# Altium PCB NGIStepUpPCB.PcbDoc (part 2 of 2)
Units mm, origin at the board's own origin, x right, y up, seen from the top; angles counter-clockwise.
Board outline 160 x 100 mm, 2 copper layers (Top Layer, Bottom Layer); 155 components, 76 nets, 427 pads, 362 vias.
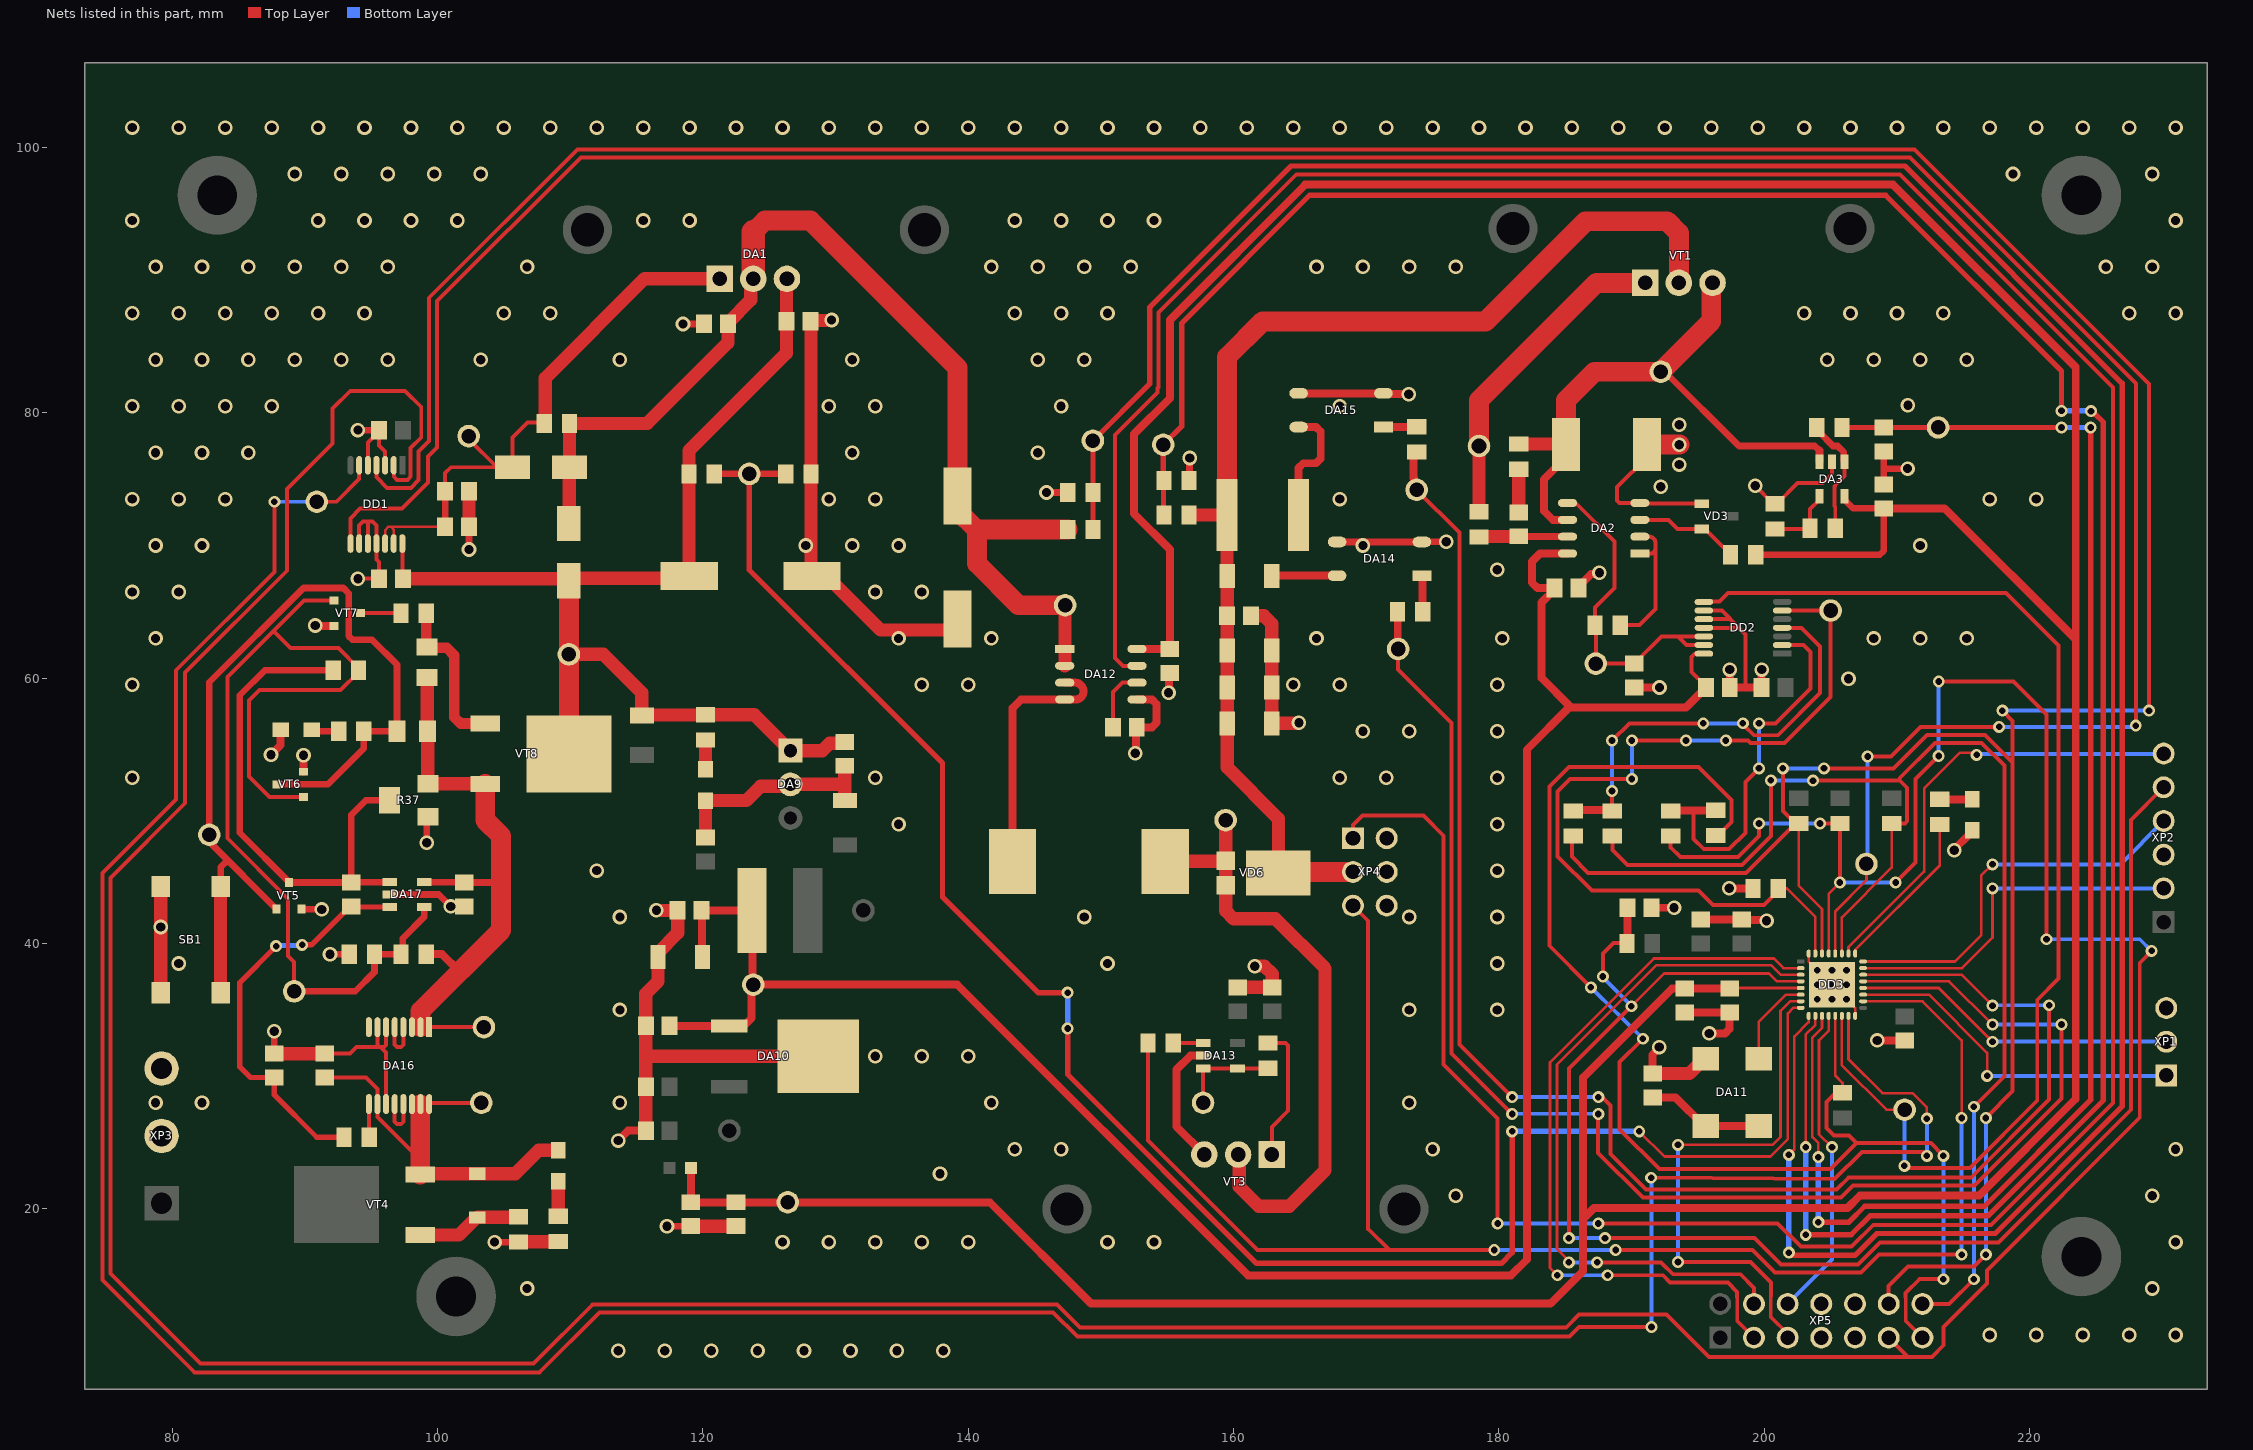
[diagram p2: the nets of this part, all layers, seen from the top]

## Via types
v1: diameter 1.1, hole 0.7, Top Layer to Bottom Layer, tented both sides, 266 vias
v2: diameter 0.9, hole 0.5, Top Layer to Bottom Layer, tented both sides, 87 vias
v3: diameter 0.9, hole 0.5, Top Layer to Bottom Layer, 9 vias

## Nets (pads, with @x,y where several pads share a name; then routed paths per layer and width w, separated by ;. In a path a pad name is that pad's centre, name@x,y a point inside that pad or via, vN(x,y) a via of type N, cw(c..) or ccw(c..) an arc to the next point about the centre after c; other vN are vias at no path point) (continued)
+24V_Protect: C1.1 C2.1 C8.2 C26.2 DA1.3 DA9.1 DD1.14 R1.1 R33.1 R44.2 TP3.1 VD1.C VT8.2 | length 88
  Top Layer w0.3: C8.2@97.35,67.55 DD1.14@97.35,70.15
  Top Layer w1: C8.2@97.4,67.5 VD1.C@109.775,67.5 ; TP3.1@109.9,61.8 112.5,61.8 115.4,58.9 R33.1@115.4,57.2 115.425,57.225 120.175,57.225 R44.2@120.2,57.25 123.89,57.25 DA9.1@126.6,54.54 129,54.54 129.56,55.1 130.6,55.1 C26.2@130.7,55.2 ; VD1.C@109.9,67.35 110.075,67.525 118.8,67.525 C1.1@118.975,67.7 118.95,67.725 R1.1@118.95,75.4 118.95,77.15 126.3,84.5 C2.1@126.3,86.9 DA1.3@126.3,90.06
  Top Layer w1.5: VD1.C@109.775,67.5 109.9,67.375 VD1.C@109.9,67.35 TP3.1@109.9,61.8 VT8.2@109.9,54.3
+A3.3V: C14.2 C34.2 C35.2 C39.2 C40.2 C43.1 DA3.5 DA12.8 DD3.5 FB1.2 R6.2 TP9.1 | length 346.5
  Top Layer w0.2: C40.2@197.4,36.65 DD3.5@202.75,36.65
  Top Layer w0.5: R6.2@199.35,69.3 208.707,69.3 209,69.593 C14.2@209,72.8 206.7,72.8 206.05,73.45 DA3.5@206.05,73.7
  Top Layer w0.6: FB1.2@119.1,23.1 C35.2@119.1,20.5 C34.2@122.5,20.5 TP9.1@126.4,20.5 141.625,20.5 149.25,12.875 183.9,12.875 186.35,15.325 186.35,19.25 ; DA12.8@152.725,62.205 C43.1@155.195,62.205 ; C43.1@155.2,62.2 155.2,69.701 152.5,72.401 152.5,78.4 155.2,81.1 155.2,87 165.4,97.2 209.7,97.2 223.45,83.45 ; C40.2@197.4,36.6 C39.2@194,36.6 193.053,36.6 186.35,29.897 186.35,19.25 ; C14.2@209,72.8 213.6,72.8 223.45,62.95 ; 223.475,83.45 223.475,28.3 216.175,21 207.2,21 206.275,20.075 187.175,20.075 186.35,19.25
+A12V: C10.2 C13.2 C29.2 C30.2 C31.2 DA2.8 DA10.1 DD2.14 L2.2 TP7.1 | length 165.4
  Top Layer w0.3: DD2.14@195.45,61.821 194.751,61.821 194.529,61.599 194.529,60.471 C10.2@195.6,59.4
  Top Layer w0.6: C31.2@117.5,33.8 117.505,33.795 121.995,33.795 DA10.1@122,33.79 123.08,33.79 123.666,34.376 123.666,36.766 TP7.1@123.8,36.9 ; C30.2@119.9,42.5 L2.2@123.7,42.5 123.75,42.45 123.75,36.95 TP7.1@123.8,36.9 ; C30.2@119.938,42.462 119.938,39.037 C29.2@119.975,39 ; C13.2@184.2,66.7 183.2,65.7 183.2,60.027 185.364,57.864 ; C13.2@184.2,66.8 182.9,66.8 182.499,67.201 182.499,68.799 183.095,69.395 DA2.8@185.175,69.395 ; 184.314,58.914 185.364,57.864 ; C10.2@195.6,59.3 194.1,57.8 185.427,57.8 185.364,57.864 ; TP7.1@123.8,36.9 139.175,36.9 161.1,14.975 180.9,14.975 182.1,16.175 182.1,54.6 185.364,57.864
+Vdc_dc: C47.2 C48.2 C49.1 C50.1 C51.1 C52.2 R29.2 VD6.C VT1.2 XP4.3 | length 91.5
  Top Layer w1: R29.2@156.65,72.3 C52.2@159.5,72.3 159.513,72.287 159.513,67.712 C51.1@159.525,67.7 C48.2@159.525,59.3 C47.2@159.525,56.6 159.525,53.275 163.382,49.418 VD6.C@163.382,45.32 VD6.C@163.462,45.4 ; 175.276,86.876 175.3,86.9
  Top Layer w1.5: C52.2@159.5,72.3 159.5,84.2 162.2,86.9 175.3,86.9 179,86.9 186.54,94.44 192.681,94.44 193.56,93.561 VT1.2@193.56,89.8 ; VD6.C@163.462,45.4 XP4.3@169,45.4
+Vin_PolProt: C53.2 DA16.10 DA16.14 DA16.15 DA16.16 TP1.1 VD8.1 VD9.A VT4.3 | length 31
  Top Layer w0.3: C53.2@91.5,29.9 94.6,29.9 95.475,29.025 DA16.10@95.475,27.9 95.475,26.925 98.1,24.3 ; DA16.15@98.794,28 TP1.1@103.3,28
  Top Layer w1: VT4.3@98.75,22.65 VD8.1@103,22.65 105.85,22.65 107.625,24.425 VD9.A@109.1,24.425
  Top Layer w1.5: VT4.3@98.7,22.6 DA16.15@98.7,27.875
+Vin_PolProt_Isens: C55.2 DA16.1 DA16.2 DA16.3 DA17.5 R37.3 R39.2 R40.2 R42.2 TP2.1 VT8.3 | length 47.2
  Top Layer w0.3: DA16.2@98.725,33.7 TP2.1@103.5,33.7
  Top Layer w0.5: DA17.5@99,44.65 99.025,44.625 101.975,44.625 C55.2@102,44.6 104.75,44.6 104.8,44.55
  Top Layer w0.6: R39.2@99.15,39.2 100.336,39.2 101.574,37.963
  Top Layer w1: R42.2@99.2,60.05 99.225,60.025 99.225,56.025 R40.2@99.25,56 99.263,55.987 99.263,52.062 R37.3@99.275,52.05 VT8.3@103.57,52.05
  Top Layer w1.5: DA16.2@98.725,33.7 98.725,34.925 104.8,41 104.8,44.55 104.8,48.1 103.6,49.3 VT8.3@103.6,52.02
+Vvar: C5.1 C6.2 DA1.2 DA12.1 DA12.2 R3.2 R4.1 TP10.1 VD1.A VD2.C | length 86.3
  Top Layer w1: VD1.A@109.9,71.65 109.925,71.675 109.925,75.875 VD2.C@109.95,75.9 R3.2@109.95,79.2 115.8,79.2 121.889,85.289 121.889,86.689 C6.2@121.9,86.7 121.9,86.8 123.609,88.509 123.609,89.909 DA1.2@123.8,90.1 ; 140.662,71.162 140.7,71.2 ; DA12.2@147.275,60.935 147.288,60.947 147.288,65.488 TP10.1@147.3,65.5
  Top Layer w1.5: 123.8,93.621 124.679,94.5 128.1,94.5 139.2,83.4 C5.1@139.2,73.725 139.2,72.625 140.662,71.162 140.662,68.638 143.8,65.5 TP10.1@147.3,65.5 ; 140.7,71.2 R4.1@147.5,71.2
  Top Layer w1.8: DA1.2@123.8,90.1 123.8,93.621
CLK_IN: DA11.3 DD3.6 | length 6.8
  Top Layer w0.2: DA11.3@199.575,31.315 199.575,34.075 201.65,36.15 DD3.6@202.75,36.15
Comp: DA17.4 R38.2 R39.1 R45.2 TP4.1 VT6.1 VT7.1 | length 77.9
  Top Layer w0.3: TP4.1@89.2,36.4 89.2,38.6 88.741,39.059 88.741,43.372 84.175,47.939 84.175,60.075 87.65,63.55 ; VT6.1@89.9,51.05 87.35,51.05 85.8,52.6 85.8,58.325 86.575,59.1 92.7,59.1 94.05,60.45 R38.2@94.05,60.6 94.05,60.75 92.529,62.271 88.929,62.271 87.65,63.55 ; VT7.1@92.2,65.85 89.95,65.85 87.65,63.55
  Top Layer w0.5: TP4.1@89.2,36.4 93.8,36.4 95.25,37.85 R45.2@95.25,39.2 R39.1@97.25,39.2 97.382,39.332 97.382,40.382 98.993,41.993 98.993,42.743 DA17.4@99,42.75
GND: C1.2 C2.2 C3.1 C4.1 C5.2 C6.1 C7.1 C8.1 C9.1 C10.1 C11.1 C13.1 C14.1 C15.1 C26.1 C27.1 C28.1 C29.1 C30.1 C31.1 C32.1 C33.1 C34.1 C35.1 C36.1 C37.1 C38.1 C39.1 C40.1 C41.1 C42.1 C43.2 C44.1 C45.1 C46.1 C47.1 C48.1 C49.2 C50.2 C53.1 C54.1 C55.1 DA2.4 DA3.2 DA9.2 DA10.2 DA11.2 DA12.5 DA13.2 DA14.2 DA14.3 DA15.2 DA15.3 DA16.6 DA16.7 DA16.8 DA16.11 DA17.2 DD1.3 DD1.5 DD1.9 DD1.10 DD1.11 DD2.9 DD2.10 DD2.11 DD3.16 DD3.32 DD3.33 R2.2 R5.2 R10.1 R11.2 R21.2 R30.1 R34.1 R35.1 R37.1 R45.1 SB1.1 SB1.2 VD3.1 VD7.C VD10.C VD11.C VT3.3 VT5.2 VT6.2 VT7.2 XP1.3 XP2.3 XP3.2 XP3.3 XP4.2 XP4.4 XP4.6 XP5.7 XP5.8 XP5.9 XP5.10 | length 291.2
  Top Layer w0.2: DD3.32@203.35,39.25 203.35,38.65 v3(204,38) ; v3(206.2,35.8) 206.85,35.15 DD3.16@206.85,34.55
  Top Layer w0.3: C53.1@91.5,31.7 93.4,31.7 93.9,32.2 95.7,32.2 ; v1(94,67.5) C8.1@95.6,67.5 95.6,68.742 95.4,68.942 DD1.11@95.4,70.15 95.4,71.5 95.1,71.8 94.75,71.8 ; DD1.9@94.1,70.15 94.1,71.5 94.4,71.8 94.75,71.8 ; DD1.10@94.75,70.15 94.75,71.8 ; DD1.5@94.75,76.05 94.75,77.75 C7.1@95.6,78.6 ; DA16.7@95.475,33.7 95.475,32.425 ccw(c95.7,32.425) 95.482,32.369 95.644,32.207 ccw(c95.7,32.425) 95.7,32.2 ; C7.1@95.6,78.7 C7.1@95.6,78.6 ; DD1.3@96.05,76.05 96.05,77.075 95.6,77.525 C7.1@95.6,78.6 ; DA16.11@96.125,27.9 96.125,31.775 95.7,32.2 ; DA16.6@96.125,33.7 96.125,32.425 cw(c95.9,32.425) 96.118,32.369 95.956,32.207 cw(c95.9,32.425) 95.9,32.2 95.7,32.2 ; R10.1@191.15,77.6 191.15,76.65 188.9,74.4 188.9,73.381 189.076,73.205 DA2.4@190.625,73.205 190.653,73.177 195.272,73.177 VD3.1@195.3,73.15 ; DD2.11@195.45,63.8 198.1,63.8 ; DD2.10@195.45,64.45 197.35,64.45 ; DD2.9@195.45,65.1 196.8,65.1 198.1,63.8 ; 198.6,59.3 198.6,63.3 198.1,63.8 ; v1(199.325,74.5) 199.325,74.475 200.65,73.15 R11.2@200.8,73.15 200.95,73.15 202.5,74.7 204.4,74.7 205.1,75.4 DA3.2@205.1,76.3
  Top Layer w0.5: C54.1@87.7,31.7 v1(87.7,33.4) ; VT5.2@89.775,42.575 89.788,42.587 91.262,42.587 v1(91.275,42.575) ; v1(91.9,39.2) R45.1@93.35,39.2 ; v1(94,78.7) C7.1@95.6,78.7 ; DA17.2@96.4,43.7 100.1,43.7 v1(101,42.8) C55.1@102,42.8 ; v1(99.2,47.6) R37.1@99.2,49.475 ; v1(102.375,69.7) C4.1@102.375,71.4 ; v1(104.3,17.5) R34.1@106.1,17.5 ; v1(117.3,18.7) C35.1@119.1,18.7 ; v1(118.5,86.7) C6.1@120.1,86.7 ; v1(145.9,74) R5.2@147.5,74 ; R30.1@156.65,74.9 156.675,74.925 156.675,76.575 v1(156.7,76.6) ; DA14.3@167.8,70.27 DA14.2@174.2,70.27 174.203,70.272 176.022,70.272 v1(176.025,70.275) ; C14.1@209,74.6 209,75.8 ; C15.1@209,77.1 209,75.8 ; v1(210.8,75.8) 209,75.8
  Top Layer w0.6: v1(87.45,54.225) 88.175,54.95 VD10.C@88.175,56.1 ; VT6.2@89.9,52.95 v1(89.9,54.2) ; v1@90.8,63.95 VT7.2@92.2,63.95 ; v1(113.625,25.15) 114.375,25.9 C33.1@115.7,25.9 ; v1(152.6,54.35) 152.65,54.4 152.65,56.25 C44.1@152.7,56.3 153.854,56.3 154.205,56.651 154.205,58.044 153.854,58.395 DA12.5@152.725,58.395 ; v1(155.1,58.9) 155.15,58.95 155.15,60.35 C43.2@155.2,60.4 ; DA13.2@157.7,31.55 156.75,31.55 155.7,30.5 155.7,26.2 VT3.3@157.8,24.1 ; DA15.3@164.9,81.47 DA15.2@171.3,81.47 171.335,81.435 173.165,81.435 v1(173.2,81.4) ; C13.1@186,66.8 186,66.9 186.954,67.854 187.479,67.854 v1(187.575,67.95) ; C11.1@190.2,59.3 v1(192.1,59.3) ; C41.1@191.5,42.7 v1(193.2,42.7) ; C42.1@191.6,30.2 191.562,30.238 191.562,31.618 192.075,32.13 v1(192.075,32.2) ; C39.1@194,34.8 C40.1@197.4,34.8 197.387,34.788 197.387,33.576 197.036,33.225 v1(195.85,33.225) ; C36.1@195.2,41.8 C37.1@198.3,41.8 198.338,41.762 200.137,41.762 v1(200.175,41.725) ; v1@197.35,44.375 v1@197.362,44.362 ; v1@197.362,44.162 R21.2@199.138,44.162 ; v1(197.4,60.65) C10.1@197.4,59.3 198.6,59.3 C9.1@199.8,59.3 v1(199.8,60.65) ; R21.2@199.138,44.362 R21.2@199.15,44.35 ; v1(208.525,32.7) C38.1@210.6,32.7 ; v1(214.325,47.025) 214.325,47.1 215.425,48.2 215.425,48.275 VD7.C@215.675,48.525
  Top Layer w1: SB1.1@79.15,36.3 v1(79.15,41.25) SB1.2@79.15,44.3 ; C54.1@87.7,31.7 C53.1@91.5,31.7 ; C4.1@102.375,71.4 C3.1@102.375,74.1 ; R34.1@106.1,17.5 106.125,17.525 109.075,17.525 R35.1@109.1,17.55 ; C33.1@115.7,25.9 C32.1@115.7,29.2 115.7,31.5 ; v1(116.5,42.5) C30.1@118.1,42.5 118.1,40.8 116.625,39.325 C29.1@116.625,39 116.625,37.15 115.7,36.225 C31.1@115.7,33.8 115.7,31.5 ; C35.1@119.1,18.7 C34.1@122.5,18.7 ; C28.1@120.2,48 VD11.C@120.2,50.775 123.275,50.775 124.347,51.847 126.447,51.847 DA9.2@126.6,52 130.612,52 130.7,52.088 ; C2.2@128.1,86.9 C2.2@128.15,86.85 ; DA10.2@128.7,31.5 115.7,31.5 ; v1(129.7,87) 129.656,86.956 128.2,86.956 128.15,86.906 C2.2@128.15,86.85 ; C27.1@130.7,50.775 130.7,52.088 ; C26.1@130.7,53.4 130.7,52.088 ; C5.2@139.2,64.475 139.2,64.175 138.65,63.625 133.4,63.625 129.325,67.7 C1.2@128.225,67.7 128.15,67.775 R2.2@128.15,75.4 C2.2@128.15,86.85 ; C45.1@160.3,36.7 C46.1@162.9,36.7 162.912,36.713 162.912,37.712 162.325,38.3 v1(161.6,38.3) ; C50.2@161.3,64.7 162.289,64.7 162.875,64.114 C49.2@162.875,62.1 C48.1@162.875,59.3 C47.1@162.875,56.6 164.848,56.6 164.898,56.65 v1(164.925,56.65) ; C42.1@191.6,30.2 194.36,30.2 DA11.2@195.475,31.315
  Top Layer w1.5: R10.1@191.15,77.6 v1(193.6,77.6)
  other v1: 113.625,9.3 117.125,9.3 120.625,9.3 124.125,9.3 127.625,9.3 131.125,9.3 134.625,9.3 138.125,9.3 217,10.5 220.5,10.5 224,10.5 227.5,10.5 231,10.5 106.75,14 229.25,14 126,17.5 129.5,17.5 133,17.5 136.5,17.5 140,17.5 150.5,17.5 154,17.5 231,17.5 176.75,21 229.25,21 137.875,22.65 143.5,24.5 147,24.5 175,24.5 231,24.5 78.75,28 82.25,28 113.75,28 141.75,28 173.25,28 133,31.5 136.5,31.5 140,31.5 113.75,35 173.25,35 179.875,35 80.5,38.5 150.5,38.5 179.875,38.5 113.75,42 148.75,42 173.25,42 179.875,42 197.35,44.175 112,45.5 179.875,45.5 134.75,49 179.875,49 77,52.5 133,52.5 168,52.5 171.5,52.5 179.875,52.5 169.75,56 173.25,56 179.875,56 77,59.5 136.5,59.5 140,59.5 164.5,59.5 168,59.5 179.875,59.5 206.35,59.95 78.75,63 134.75,63 141.75,63 166.25,63 180.25,63 208.25,63 211.75,63 215.25,63 90.775,63.975 77,66.5 80.5,66.5 133,66.5 136.5,66.5 179.875,68.175 78.75,70 82.25,70 127.75,70 131.25,70 134.75,70 169.75,70 211.75,70 77,73.5 80.5,73.5 84,73.5 129.5,73.5 133,73.5 168,73.5 217,73.5 220.5,73.5 192.2,74.425 193.6,76.1 78.75,77 82.25,77 85.75,77 131.25,77 145.25,77 193.6,79.1 77,80.5 80.5,80.5 84,80.5 87.5,80.5 129.5,80.5 133,80.5 147,80.5 168,80.5 210.825,80.575 78.75,84 82.25,84 85.75,84 89.25,84 92.75,84 96.25,84 103.25,84 113.75,84 131.25,84 145.25,84 148.75,84 204.75,84 208.25,84 211.75,84 215.25,84 77,87.5 80.5,87.5 84,87.5 87.5,87.5 91,87.5 94.5,87.5 105,87.5 108.5,87.5 143.5,87.5 147,87.5 150.5,87.5 203,87.5 206.5,87.5 210,87.5 213.5,87.5 227.5,87.5 231,87.5 78.75,91 82.25,91 85.75,91 89.25,91 92.75,91 96.25,91 106.75,91 141.75,91 145.25,91 148.75,91 152.25,91 166.25,91 169.75,91 173.25,91 176.75,91 225.75,91 229.25,91 77,94.5 91,94.5 94.5,94.5 98,94.5 101.5,94.5 115.5,94.5 119,94.5 143.5,94.5 147,94.5 150.5,94.5 154,94.5 231,94.5 89.25,98 92.75,98 96.25,98 99.75,98 103.25,98 218.75,98 229.25,98 77,101.5 80.5,101.5 84,101.5 87.5,101.5 91,101.5 94.5,101.5 98,101.5 101.5,101.5 105,101.5 108.5,101.5 112,101.5 115.5,101.5 119,101.5 122.5,101.5 126,101.5 129.5,101.5 133,101.5 136.5,101.5 140,101.5 143.5,101.5 147,101.5 150.5,101.5 154,101.5 157.5,101.5 161,101.5 164.5,101.5 168,101.5 171.5,101.5 175,101.5 178.5,101.5 182,101.5 185.5,101.5 189,101.5 192.5,101.5 196,101.5 199.5,101.5 203,101.5 206.5,101.5 210,101.5 213.5,101.5 217,101.5 220.5,101.5 224,101.5 227.5,101.5 231,101.5
  other v3: 204,35.8 205.1,35.8 204,36.9 205.1,36.9 206.2,36.9 205.1,38 206.2,38
I2C1_SCL: DD1.2 DD3.29 R23.1 R48.1 XP5.11 | length 352.3
  Top Layer w0.2: DD3.29@204.85,39.25 204.85,43.75 v2(205.7,44.6)
  Top Layer w0.3: DD1.2@96.7,76.05 96.725,76.025 96.725,75.184 96.959,74.95 97.741,74.95 97.975,75.184 97.975,77.339 98.775,78.139 98.775,80.425 97.55,81.65 93.425,81.65 92.1,80.325 92.1,77.7 88.65,74.25 88.65,68.1 80.975,60.425 80.975,50.575 75.35,44.95 75.35,15.125 82.125,8.35 107.25,8.35 111.7,12.8 146.7,12.8 148.425,11.075 185.075,11.075 186.05,12.05 192.625,12.05 195.825,8.85 210.8,8.85 ; R48.1@192.95,48.1 192.95,47.251 193.676,46.525 198.025,46.525 199.6,48.1 v2(199.6,49.05) ; v2(204.2,49.05) R23.1@205.7,49.05 v2(205.7,44.6) ; XP5.11@209.38,10.3 210.8,8.88 210.8,8.85 ; v2(209.9,44.6) 211.4,46.1 211.4,52.4 v2(213.137,54.137) ; v2(213.15,59.75) 218.775,59.75 221.275,57.25 v2(221.275,40.325) ; v2(229.2,39.45) 228.3,38.55 228.3,26.877 216.775,15.352 216.775,14.375 213.5,11.1 213.5,9.725 212.625,8.85 210.8,8.85
  Bottom Layer w0.3: v2(199.6,49.05) v2(204.2,49.05) ; v2(205.7,44.6) v2(209.9,44.6) ; v2(213.137,54.137) v2@213.137,59.738 ; v2(221.275,40.325) 228.3,40.325 229.175,39.45 v2(229.2,39.45)
I2C1_SDA: DD1.4 DD3.30 R22.2 R49.1 XP5.12 | length 302.8
  Top Layer w0.2: R22.2@202.6,49.05 202.6,44.35 204.35,42.6 DD3.30@204.35,39.25
  Top Layer w0.3: DD1.4@95.4,76.05 95.4,75.15 96.2,74.35 98,74.35 98.575,74.925 98.575,77.09 99.375,77.89 99.375,88.675 110.55,99.85 211.325,99.85 229,82.175 v2(229,57.55) ; R49.1@185.5,48.1 185.5,46.55 186.725,45.325 198.625,45.325 R22.2@202.35,49.05 ; v2(201.4,53.2) 201.4,50 R22.2@202.35,49.05 ; R22.2@202.6,49.05 R22.2@202.35,49.05 ; v2(204.5,53.2) 209.734,53.2 212.262,55.728 216.632,55.728 218.725,53.635 ; XP5.12@209.38,12.84 209.38,14.205 210.825,15.65 215.8,15.65 v2(216.7,16.55) ; v2(216.7,26.85) 218.725,28.875 218.725,53.635 ; v2(217.95,57.55) 218.725,56.775 218.725,53.635
  Bottom Layer w0.3: v2(201.4,53.2) v2(204.5,53.2) ; v2(216.7,16.55) v2(216.7,26.85) ; v2(217.95,57.55) v2(229,57.55)
I2C2_SCL: DD2.2 R46.2 R48.2 | length 29
  Top Layer w0.3: 194.6,50.025 194.675,49.95 194.675,47.889 195.439,47.125 197.35,47.125 198.575,48.35 198.575,52.175 v2(199.6,53.2) ; v2(199.6,56.6) 200.85,56.6 203.475,59.225 203.475,61.975 202.95,62.5 DD2.2@201.35,62.5
  Top Layer w0.6: R48.2@192.95,50 192.975,50.025 194.6,50.025 R46.2@196.325,50.025 ; R46.2@196.344,50.056 R46.2@196.35,50.05
  Bottom Layer w0.3: v2(199.6,53.2) v2(199.6,56.6)
I2C2_SDA: DD2.4 R47.2 R49.2 | length 33.3
  Top Layer w0.3: v2@188.525,51.65 v2(188.525,51.5) 188.525,50.025 R47.2@188.55,50 ; v2@188.537,55.288 189.85,56.6 v2(195.4,56.6) ; v2@198.475,56.45 198.477,56.45 199.227,55.7 201.025,55.7 204.2,58.875 204.2,62.4 202.8,63.8 DD2.4@201.35,63.8
  Top Layer w0.6: R49.2@185.25,50 185.5,50 185.562,50.062 188.488,50.062 R47.2@188.525,50.025
  Bottom Layer w0.3: v2@188.525,51.65 v2(188.525,55.3) ; v2(195.4,56.6) 195.403,56.603 v2(198.385,56.603)
I2C3_SCL: DD3.13 R25.2 R46.1 XP5.13 | length 103.5
  Top Layer w0.2: DD3.13@205.35,34.55 205.35,30.05 205.9,29.5 R25.2@205.9,28.75
  Top Layer w0.27: 210.65,13.373 210.65,11.57 XP5.13@211.92,10.3
  Top Layer w0.3: v2(186.934,36.702) 183.8,39.836 183.8,51.825 185.275,53.3 195.036,53.3 197.525,50.811 197.525,49.175 196.5,48.15 R46.1@196.35,48.15 ; v2(190.85,32.825) 189.1,31.075 189.1,25.998 192.092,23.006 205.006,23.006 206.96,24.96 ; R25.2@205.9,28.75 205.375,28.75 204.7,28.075 204.7,26.114 205.264,25.55 206.37,25.55 206.96,24.96 ; 210.65,13.373 210.65,13.65 211.7,14.7 v2(213.5,14.7) ; v2@213.45,24.075 212.565,24.96 206.96,24.96
  Bottom Layer w0.3: v2(186.934,36.702) v2(190.85,32.825) ; v2(213.5,14.7) v2(213.5,24)
I2C3_SDA: DD3.27 R24.2 R47.1 XP5.14 | length 98
  Top Layer w0.2: DD3.27@205.85,39.25 205.85,41.975 209.6,45.725 R24.2@209.6,49.05
  Top Layer w0.3: R47.1@188.55,48.1 188.55,47.05 189.675,45.925 198.325,45.925 200.5,48.1 v2(200.5,52.3) ; v2(203.675,52.275) 210.211,52.275 ; R24.2@209.6,49.05 210.599,49.05 210.775,49.226 210.775,51.711 210.211,52.275 ; XP5.14@211.92,12.84 213.94,12.84 v2(215.8,14.7) ; v2(215.8,27.7) 218.1,30 218.1,53.411 216.383,55.128 212.855,55.128 210.211,52.484 210.211,52.275
  Bottom Layer w0.3: v2@200.832,52.275 v2(203.675,52.275) ; v2(215.8,14.7) v2(215.8,27.7)
I_sens: C54.2 C56.1 DA17.3 R36.2 | length 30.8
  Top Layer w0.4: v2(87.841,39.8) 85.1,37.059 85.1,30.7 85.9,29.9 C54.2@87.7,29.9 87.7,28.6 90.9,25.4 R36.2@92.95,25.4 ; v2(89.8,39.9) 90.5,39.9 C56.1@93.4,42.8 ; C56.1@93.5,42.8 93.55,42.75 DA17.3@96.4,42.75
  Bottom Layer w0.2: v2@89.75,39.85 v2(89.8,39.9)
  Bottom Layer w0.4: v2(87.841,39.8) 87.891,39.85 v2@89.75,39.85
IL: DA12.7 XP4.1 | length 257.3
  Top Layer w0.3: DA12.7@152.725,60.935 151.665,60.935 151.065,61.535 151.065,78.34 154.275,81.55 154.275,81.856 154.325,81.906 154.325,87.55 164.725,97.95 210.225,97.95 226.275,81.9 226.275,27.975 217.1,18.8 208.213,18.8 206.563,17.15 202.752,17.15 201.002,18.9 v2(187.5,18.9) ; XP4.1@169,47.94 169,48.925 169.725,49.65 174.3,49.65 175.825,48.125 175.825,30.9 179.9,26.825 v2(179.9,18.9)
  Bottom Layer w0.3: v2(179.9,18.9) v2(187.5,18.9)
LED: DD3.25 R26.2 | length 12.4
  Top Layer w0.2: DD3.25@206.85,39.25 206.85,39.518 213.225,45.893 R26.2@213.225,48.975
NetC3_2: C3.2 C4.2 DA1.1 DD1.12 DD1.13 R3.1 TP13.1 VD2.A | length 44.3
  Top Layer w0.2: DD1.12@96.05,70.15 96.05,71.15 96.317,71.417 96.483,71.417 ; DD1.13@96.7,70.15 96.7,71.2 96.483,71.417 ; C4.2@100.575,71.4 100.558,71.417 96.483,71.417
  Top Layer w0.3: C3.2@100.575,74.1 100.575,75.45 101.025,75.9 VD2.A@104.475,75.9 ; TP13.1@102.35,78.25 102.35,78.025 VD2.A@104.475,75.9 ; TP13.1@102.85,78.25 TP13.1@102.874,78.226 ; R3.1@108.125,79.275 106.775,79.275 105.65,78.15 VD2.A@105.65,75.9 VD2.A@104.475,75.9
  Top Layer w0.5: C4.2@100.575,71.4 C3.2@100.575,74.1
  Top Layer w1: R3.1@108.125,79.275 108.125,82.625 115.6,90.1 DA1.1@121.26,90.1
NetC11_2: C11.2 DA2.5 DD2.12 DD2.13 R7.1 TP19.1 | length 25.8
  Top Layer w0.3: DA2.5@185.175,73.205 185.232,73.148 185.852,73.148 188.7,70.3 188.7,66.786 187.257,65.343 187.257,64.007 R7.1@187.25,64 187.3,63.95 TP19.1@187.3,61.1 C11.2@190.2,61.1 192.25,63.15 193.5,63.15 ; DD2.13@195.45,62.5 194.15,62.5 193.5,63.15 ; DD2.12@195.45,63.15 193.5,63.15
NetC12_1: C12.1 R8.2 | length 3.2
  Top Layer w1: C12.1@181.5,72.5 R8.2@181.5,75.75
NetC12_2: C12.2 DA2.7 R9.1 | length 6.7
  Top Layer w0.5: C12.2@181.5,70.7 181.517,70.683 185.158,70.683 DA2.7@185.175,70.665
  Top Layer w1: R9.1@178.5,70.65 178.525,70.675 181.475,70.675 C12.2@181.5,70.7
NetC42_2: C42.2 DA11.1 DA11.4 | length 8.8
  Top Layer w0.6: C42.2@191.6,28.4 193.31,28.4 DA11.1@195.525,26.185 ; DA11.1@195.575,26.235 DA11.4@199.575,26.235
NetC44_2: C44.2 DA12.6 | length 4.8
  Top Layer w0.3: C44.2@150.9,56.3 150.9,58.95 151.615,59.665 DA12.6@152.725,59.665
NetC51_2: C51.2 DA14.4 | length 4.9
  Top Layer w0.6: C51.2@162.875,67.7 162.905,67.73 DA14.4@167.8,67.73
NetC52_1: C52.1 DA15.4 | length 9.4
  Top Layer w0.6: C52.1@164.9,72.3 164.9,75.849 165.251,76.2 166.219,76.2 166.57,76.551 166.57,78.579 166.219,78.93 DA15.4@164.9,78.93
NetDA2_1: DA2.1 DA2.2 R7.2 | length 11
  Top Layer w0.3: R7.2@189.15,64 190.6,64 191.8,65.2 191.8,69.8 ; DA2.1@190.625,69.395 191.395,69.395 ccw(c191.395,69.8) 191.8,69.8 ; DA2.2@190.625,70.665 191.335,70.665 cw(c191.335,70.2) 191.8,70.2 191.8,69.8
NetDA2_3: DA2.3 R6.1 VD3.2 | length 8
  Top Layer w0.3: DA2.3@190.625,71.935 192.765,71.935 193.45,71.25 VD3.2@195.3,71.25 195.525,71.25 196.9,69.875 197.025,69.875 197.45,69.45 R6.1@197.45,69.3
NetDA2_6: DA2.6 DA3.3 R8.1 R10.2 TP21.1 VT1.3 | length 46.3
  Top Layer w0.3: R10.2@185.05,76.65 R10.2@185.05,77.6
  Top Layer w0.5: TP21.1@192.2,83.1 192.5,83.1 198.1,77.5 203.8,77.5 204.15,77.15
  Top Layer w0.6: R10.2@185.05,76.65 183.385,74.985 183.385,72.615 184.065,71.935 DA2.6@185.175,71.935 ; DA3.3@204.15,76.3 204.15,77.15
  Top Layer w1: R8.1@181.5,77.65 185,77.65 R10.2@185.05,77.6
  Top Layer w1.5: R10.2@185.05,77.6 185.05,80.95 187.2,83.1 TP21.1@192.2,83.1 196.004,86.904 196.004,89.704 VT1.3@196.1,89.8
NetDA3_1: DA3.1 R12.2 R13.1 | length 9
  Top Layer w0.3: R12.2@205.35,71.3 205.35,72.914 205.3,72.964 205.3,74.436 205.35,74.486 205.35,74.55 206.05,75.25 DA3.1@206.05,76.3
  Top Layer w0.5: R13.1@203.95,78.9 203.95,78.75 204.725,77.975 204.725,77.947 205.169,77.503 205.525,77.503 206,77.028 206,76.35 DA3.1@206.05,76.3
NetDA3_4: DA3.4 R11.1 R12.1 | length 5.4
  Top Layer w0.3: R11.1@200.8,71.25 203.4,71.25 R12.1@203.45,71.3 203.45,72.75 204.15,73.45 DA3.4@204.15,73.7
NetDA12_3: DA12.3 DA12.4 L3.1 | length 19.3
  Top Layer w0.6: L3.1@143.35,46.2 143.35,57.75 143.995,58.395 DA12.4@147.275,58.395 148.095,58.395 ccw(c148.095,59) 148.7,59 ccw(c148.035,59) 148.035,59.665 DA12.3@147.275,59.665
NetDA13_1: DA13.1 R28.2 | length 2.2
  Top Layer w0.3: R28.2@155.45,32.5 DA13.1@157.7,32.5
NetDA13_3: DA13.3 DA13.4 R27.1 TP18.1 | length 7.5
  Top Layer w0.3: TP18.1@157.7,28 DA13.3@157.7,30.6 DA13.4@160.3,30.6 R27.1@162.6,30.6
NetDA14_1: DA14.1 R31.2 | length 2.8
  Top Layer w0.6: DA14.1@174.2,67.73 174.225,67.705 174.225,65.025 R31.2@174.25,65
NetDA15_1: DA15.1 R32.2 | length 2.5
  Top Layer w0.5: R32.2@173.75,79 R32.2@173.8,78.95
  Top Layer w0.6: DA15.1@171.3,78.93 171.31,78.94 173.69,78.94 R32.2@173.75,79
NetDA16_4: DA16.4 DA16.5 | length 3.4
  Top Layer w0.3: DA16.5@96.775,33.7 96.775,32.425 ccw(c97,32.425) 96.782,32.369 96.944,32.207 ccw(c97,32.425) 97,32.2 97.2,32.2 ccw(c97.2,32.425) 97.256,32.207 97.418,32.369 ccw(c97.2,32.425) 97.425,32.425 DA16.4@97.425,33.7
NetDA16_9: DA16.9 R36.1 | length 2.5
  Top Layer w0.3: R36.1@94.825,25.4 DA16.9@94.825,27.9
NetDA16_12: DA16.12 DA16.13 | length 3.4
  Top Layer w0.3: DA16.12@96.775,27.9 96.775,26.625 ccw(c97,26.625) 96.782,26.569 96.944,26.407 ccw(c97,26.625) 97,26.4 97.2,26.4 ccw(c97.2,26.625) 97.256,26.407 97.418,26.569 ccw(c97.2,26.625) 97.425,26.625 DA16.13@97.425,27.9
NetDD3_24: DD3.24 XP2.4 | length 29.7
  Top Layer w0.2: DD3.24@207.45,38.65 214.375,38.65 216.35,40.625 216.35,45.125 v2(217.2,45.975)
  Bottom Layer w0.3: v2(217.2,45.975) 226.835,45.975 XP2.4@230.1,49.24
NetL3_2: L3.2 TP14.1 VD6.A1 VD6.A2 VT3.2 | length 46.5
  Top Layer w1: L3.2@154.891,46.2 VD6.A1@159.36,46.2 ; VD6.A1@159.401,46.239 159.401,42.461 159.987,41.875 163.15,41.875 166.9,38.125 166.9,22.9 164.2,20.2 161.9,20.2 160.438,21.662 160.438,24.002 VT3.2@160.34,24.1 ; VD6.A1@159.4,46.24 TP14.1@159.4,49.3
NetR9_2: R9.2 TP20.1 VT1.1 | length 24.6
  Top Layer w1: R9.2@178.5,72.55 TP20.1@178.5,77.5
  Top Layer w1.5: TP20.1@178.5,77.5 178.5,80.95 187.35,89.8 VT1.1@191.02,89.8
NetR26_1: R26.1 VD7.A | length 2.5
  Top Layer w0.6: R26.1@213.225,50.875 VD7.A@215.675,50.875
NetR27_2: R27.2 VT3.1 | length 10.3
  Top Layer w0.3: R27.2@162.6,32.5 163.9,32.5 164.1,32.3 164.1,27.4 162.88,26.18 VT3.1@162.88,24.1
NetR34_2: R34.2 VD8.2 VT4.1 | length 7.9
  Top Layer w1: VT4.1@98.7,18.04 101.625,18.04 VD8.2@102.935,19.35 ; VD8.2@103.025,19.375 106.075,19.375 R34.2@106.1,19.4
NetR35_2: R35.2 VD9.C | length 2.6
  Top Layer w1: R35.2@109.1,19.45 VD9.C@109.1,22.075
NetR40_1: R40.1 R41.2 SB1.3 SB1.4 TP5.1 VT5.1 VT6.3 | length 67
  Top Layer w0.5: SB1.4@83.65,44.3 83.65,45.75 84.125,46.225 ; VT5.1@87.75,42.7 83.03,47.42 83.03,47.97 TP5.1@82.8,48.2 82.8,59.69 89.91,66.8 92.907,66.8 93.3,66.407 93.3,63.193 93.593,62.9 95.072,62.9 96.95,61.022 R40.1@96.95,56 R41.2@94.45,56 94.45,54.724 91.726,52 VT6.3@87.9,52
  Top Layer w1: SB1.3@83.65,36.3 SB1.4@83.65,44.3
NetR41_1: R41.1 VD10.A | length 2.1
  Top Layer w0.5: VD10.A@90.5,56 R41.1@92.55,56
NetR42_1: R42.1 R43.2 VT8.1 | length 11.9
  Top Layer w0.8: R42.1@99.15,62.382 R43.2@99.15,64.882 ; R42.1@99.236,62.296 100.693,62.296 101.275,61.714 101.275,57.07 101.758,56.587 VT8.1@103.593,56.587
NetR43_1: R43.1 VT7.3 | length 3
  Top Layer w0.3: VT7.3@94.2,64.9 R43.1@97.25,64.9
NetR44_1: R44.1 VD11.A | length 2.2
  Top Layer w1: VD11.A@120.2,53.125 R44.1@120.2,55.35
NRST: C41.2 DD3.4 R20.1 XP2.5 | length 116.5
  Top Layer w0.2: v2(189.984,35.277) 192.449,37.741 200.359,37.741 200.417,37.683 200.95,37.15 DD3.4@202.75,37.15
  Top Layer w0.3: v2(185.275,17.8) 185.275,30.567 v2(189.984,35.277) ; v2(187.833,37.517) 187.833,39.258 188.625,40.05 R20.1@189.7,40.05 ; v2(188,17.8) 199.25,17.8 201.25,15.8 207.051,15.8 208.726,17.475 217.65,17.475 227.65,27.475 227.65,49.33 XP2.5@230.1,51.78
  Top Layer w0.6: R20.1@189.7,40.05 C41.2@189.7,42.7
  Bottom Layer w0.3: v2(185.275,17.8) v2(188,17.8) ; v2(187.833,37.517) 187.833,37.428 v2(189.984,35.277)
PA1: DD3.7 XP5.5 | length 40.4
  Top Layer w0.2: v2(193.5,24.825) 200.631,24.825 201.225,25.419 201.225,34.925 201.95,35.65 DD3.7@202.75,35.65
  Top Layer w0.27: 200.5,13.425 200.5,11.85 201.76,10.59 XP5.5@201.76,10.3
  Top Layer w0.3: v2(193.5,16) 198.95,16 200.5,14.45 200.5,13.425
  Bottom Layer w0.3: v2(193.5,16) v2(193.5,24.825)
PA6: DD3.12 XP5.6 | length 23.8
  Top Layer w0.2: DD3.12@204.85,34.55 204.85,33.425 204.125,32.7 204.125,25.625 v2(205.1,24.65)
  Bottom Layer w0.3: XP5.6@201.76,12.84 205.1,16.18 v2(205.1,24.65)
PC14: DD3.2 XP5.3 | length 56.8
  Top Layer w0.2: v2(184.4,15) 183.85,15.55 183.85,31.052 191.673,38.875 200.718,38.875 201.443,38.15 DD3.2@202.75,38.15
  Top Layer w0.27: 197.95,13.373 197.95,11.57 XP5.3@199.22,10.3
  Top Layer w0.3: v2(188.2,15) 192.35,15 192.9,14.45 197.25,14.45 197.95,13.75 197.95,13.373
  Bottom Layer w0.3: v2(184.4,15) v2(188.2,15)
PC15: DD3.3 XP5.4 | length 52.6
  Top Layer w0.2: v2@185.275,16.075 184.375,16.975 184.375,30.87 191.88,38.375 200.511,38.375 201.236,37.65 DD3.3@202.75,37.65
  Top Layer w0.3: v2(187.4,15.975) 192.224,15.975 193.124,15.075 198.2,15.075 199.22,14.055 XP5.4@199.22,12.84
  Bottom Layer w0.3: v2(185.275,15.975) v2@187.1,15.975
Ref: C56.2 DA17.1 R37.2 R38.1 VT5.3 | length 39.5
  Top Layer w0.5: VT5.3@88.8,44.6 C56.2@93.5,44.6 ; VT5.3@88.8,44.65 85.1,48.35 85.1,58.714 86.986,60.6 R38.1@92.15,60.6 ; R37.2@96.375,50.8 94.6,50.8 93.5,49.7 C56.2@93.5,44.6 ; DA17.1@96.4,44.65 96.375,44.625 93.525,44.625 C56.2@93.5,44.6
S\H\D\N\_\D\D\1\: DD1.8 DD3.28 TP23.1 | length 225.2
  Top Layer w0.2: DD3.28@205.35,39.25 205.35,42.425 207.7,44.775 TP23.1@207.7,46
  Top Layer w0.3: DD1.8@93.45,70.15 93.45,72.05 94.175,72.775 97.325,72.775 99.3,74.75 99.3,76.723 99.977,77.4 99.977,88.427 110.8,99.25 210.975,99.25 228,82.225 v2(228,56.425) ; v2(207.794,54.1) 209.55,54.1 211.778,56.328 v2(217.7,56.328)
  Bottom Layer w0.3: TP23.1@207.7,46 207.794,46.094 v2(207.794,54.1) ; v2(217.7,56.328) 227.903,56.328 v2(228,56.425)
S\H\D\N\_\D\D\2\: DD2.8 DD3.14 TP24.1 | length 89.8
  Top Layer w0.2: DD3.14@205.85,34.55 205.85,30.825 209.2,27.475 TP24.1@210.575,27.475
  Top Layer w0.3: DD2.8@195.471,65.771 196.621,65.771 197.271,66.421 218.229,66.421 222.175,62.475 222.175,37.35 220.575,35.75 220.575,28.179 215.496,23.1 210.71,23.1 v2(210.56,23.25)
  Bottom Layer w0.3: v2@210.562,23.25 TP24.1@210.562,27.463
SensILoad: C15.2 DD3.11 R13.2 TP22.1 | length 110.2
  Top Layer w0.2: v2(204.078,23.906) 204.078,24.965 203.625,25.418 203.625,32.907 204.35,33.632 DD3.11@204.35,34.55
  Top Layer w0.4: v2(204.075,19) 206.375,19 207.575,20.2 216.591,20.2 224.6,28.209 v2(224.6,78.9) ; R13.2@205.85,78.9 C15.2@209,78.9 TP22.1@213.1,78.9 v2(222.4,78.9) v2@222.6,78.9
  Bottom Layer w0.4: v2@204.075,18.775 204.078,18.778 v2(204.078,23.906) ; v2(222.4,78.9) v2(224.6,78.9)
SensV_DC/DC: DD3.10 R29.1 R30.2 TP15.1 | length 191.3
  Top Layer w0.2: v2(203.125,24.65) 203.125,33.139 203.85,33.864 DD3.10@203.85,34.55
  Top Layer w0.4: R30.2@154.7,74.95 TP15.1@154.7,77.6 156.1,79 156.1,86.769 165.731,96.4 209.15,96.4 222.4,83.15 v2(222.4,80.15) ; R29.1@154.725,72.325 R30.2@154.725,74.875 ; v2(203.125,18.05) 206.544,18.05 207.969,19.475 216.856,19.475 225.55,28.169 225.55,79.3 v2@224.925,79.925
  Bottom Layer w0.4: v2(203.125,18.05) v2(203.125,24.65) ; v2@222.6,80.15 v2@224.7,80.15
  other v2: 224.625,80.125
SensVin: DD3.8 R1.2 R2.1 TP12.1 | length 143.6
  Top Layer w0.2: v2(190.575,25.85) 192.475,23.95 200.463,23.95 201.771,25.259 201.771,34.746 202.175,35.15 DD3.8@202.75,35.15
  Top Layer w0.4: TP12.1@123.5,75.4 123.5,68.16 138.06,53.6 138.06,43.5 145.26,36.3 v2(147.5,36.3) ; v2(147.5,33.6) 147.5,30.125 161.725,15.9 180.2,15.9 181,16.7 181,25.7 v2@180.85,25.85
  Top Layer w0.5: R1.2@120.85,75.4 TP12.1@123.5,75.4 R2.1@126.25,75.4
  Bottom Layer w0.4: v2(147.5,33.6) v2(147.5,36.3) ; v2(181,25.85) v2(190.575,25.85)
SensVreg: DD3.9 R4.2 R5.1 TP11.1 | length 206.1
  Top Layer w0.2: v2(201.85,24.075) 202.271,24.496 202.271,32.996 203.35,34.075 DD3.9@203.35,34.55
  Top Layer w0.4: R4.2@149.4,71.2 R5.1@149.4,74 TP11.1@149.4,77.9 153.675,82.175 153.675,87.95 164.325,98.6 210.6,98.6 226.975,82.225 226.975,27.719 217.406,18.15 208.482,18.15 206.832,16.5 202.05,16.5 v2(201.85,16.7)
  Bottom Layer w0.4: v2@201.775,24.016 v2@201.835,24.076 ; v2@201.85,16.5 v2(201.85,16.7) v2(201.85,24.075)
SW1: DD3.21 R31.1 TP16.1 | length 112.1
  Top Layer w0.2: DD3.21@207.45,37.15 213.925,37.15 v2@217.187,33.888
  Top Layer w0.3: TP16.1@172.4,62.2 172.4,60.65 176.425,56.625 176.425,31.725 v2(181,27.15) ; v2@187.475,27.175 187.475,24.229 190.854,20.85 205.775,20.85 206.675,21.75 215.843,21.75 222.4,28.307 v2(222.4,33.9)
  Top Layer w0.6: R31.1@172.35,65 172.375,64.975 172.375,62.225 TP16.1@172.4,62.2
  Bottom Layer w0.3: v2(181,27.15) v2@187.475,27.175 ; v2(217.2,33.9) v2(222.4,33.9)
  other v2: 187.5,27.15
SW2: DD3.22 R32.1 TP17.1 | length 122.2
  Top Layer w0.2: DD3.22@207.45,37.65 214.875,37.65 v2(217.2,35.325)
  Top Layer w0.3: TP17.1@173.8,74.2 177.025,70.975 177.025,32.4 v2(181,28.425) ; v2@187.513,28.437 187.762,28.437 188.4,27.8 188.4,24.152 191.102,21.45 205.45,21.45 206.35,22.35 210.187,22.35 215.594,22.35 221.475,28.231 v2(221.475,35.35)
  Top Layer w0.6: TP17.1@173.8,74.2 173.59,74.41 173.59,75.087 173.575,75.101 173.575,76.825 R32.1@173.8,77.05
  Bottom Layer w0.3: v2(181,28.425) v2(187.5,28.425) ; v2@217.2,35.341 v2(221.475,35.35)
SWDIO: DD3.23 XP2.2 | length 27.3
  Top Layer w0.2: DD3.23@207.45,38.15 214.9,38.15 217.2,40.45 v2(217.2,44.16)
  Bottom Layer w0.3: v2(217.2,44.16) XP2.2@230.1,44.16
SWO: DD3.26 XP2.6 | length 34.1
  Top Layer w0.2: DD3.26@206.35,39.25 206.35,39.725 212.05,45.425 212.05,51.7 214.725,54.375 215.883,54.375 216.011,54.248 v2(216.011,54.228)
  Bottom Layer w0.3: v2(216.011,54.228) 216.011,54.252 216.043,54.285 229.961,54.285 XP2.6@230.051,54.375
TIM1_CH1_PWM: DD3.18 R28.1 XP4.5 | length 124.9
  Top Layer w0.2: DD3.18@207.45,35.65 211.925,35.65 214.875,32.7 v2(214.875,26.85)
  Top Layer w0.3: R28.1@153.55,32.5 153.55,25.15 161.8,16.9 171.75,16.9 ; XP4.5@169,42.86 170.15,41.71 170.15,18.5 171.75,16.9 ; v2(179.65,16.9) 171.75,16.9 ; v2(188.8,16.9) 199.1,16.9 200.8,15.2 207.3,15.2 208.65,16.55 v2(214.875,16.55)
  Bottom Layer w0.3: v2(179.65,16.9) v2(188.8,16.9) ; v2(214.875,16.55) v2@214.875,26.45
UART1_RX: DD3.20 XP1.2 | length 24.5
  Top Layer w0.2: DD3.20@207.45,36.65 213.15,36.65 v2(217.2,32.6)
  Bottom Layer w0.3: v2(217.2,32.6) XP1.2@230.3,32.6
UART1_TX: DD3.19 XP1.1 | length 26.4
  Top Layer w0.2: DD3.19@207.45,36.15 212.4,36.15 216.8,31.75 v2(216.8,30.025)
  Bottom Layer w0.3: v2(216.8,30.025) XP1.1@230.265,30.025
W\L\A\T\_\D\D\1\: DD1.6 DD3.15 TP26.1 | length 242
  Top Layer w0.2: DD3.15@206.35,34.55 206.35,31.28 208.905,28.725 211.175,28.725 212.25,27.65 v2(212.25,26.8)
  Top Layer w0.3: v2(87.7,73.3) 87.7,68 80.3,60.6 80.3,50.875 74.75,45.325 74.75,14.625 81.687,7.688 107.688,7.688 112.2,12.2 146.4,12.2 148.225,10.375 185.325,10.375 186.05,11.1 v2(191.5,11.1) ; TP26.1@90.9,73.3 92.4,73.3 94.1,75 DD1.6@94.1,76.05 ; v2(191.475,22.35) 205.307,22.272 207.356,24.298 211.981,24.272 v2(212.25,24)
  Bottom Layer w0.3: v2(87.7,73.3) TP26.1@90.9,73.3 ; v2@191.487,11.1 v2@191.487,22.35 ; v2(212.25,24) v2(212.25,26.8)
W\L\A\T\_\D\D\2\: DD2.6 DD3.31 R21.1 TP25.1 | length 65.9
  Top Layer w0.2: R21.1@201.225,44.15 201.7,44.15 203.85,42 DD3.31@203.85,39.25
  Top Layer w0.3: v2(190.025,55.3) v2(194.1,55.3) v2@194.2,55.3 ; v2@190.325,52.4 v2(190.025,52.4) 185.35,52.4 184.425,51.475 184.425,46.575 187,44 195.032,44 196.132,42.9 199.975,42.9 R21.1@201.225,44.15 ; v2(197.1,55.3) 198.779,55.3 198.979,55.1 201.525,55.1 205,58.575 TP25.1@205,65.1 DD2.6@201.35,65.1
  Bottom Layer w0.3: v2(190.025,52.4) v2(190.025,55.3) ; v2@194.2,55.3 v2(197.1,55.3)
pads on no net: DA1.4 DA1.5 DD1.7 DD2.7 VD3.3 VT1.4 VT1.5 VT3.4 VT3.5

## Polygon pours and split planes (outlines as drawn)
NetDA2_6 on Top Layer "NETDA2_6" (solid, pour order 11): 199.7,90.058 198.6,91.25 195.55,91.25 195.075,90.775 195.075,87.575 194.7,87.2 187.1,87.2 180.3,80.4 180.3,77.1 180.5,76.9 182.6,76.9 182.8,76.7 182.8,75.4 183.11,75.09 186.99,75.09 187.3,75.4 187.3,79.9 188.5,81 198.3,81 199.7,82.711
NetDA12_3 on Top Layer "NETDA12_3" (solid, pour order 10): 141.9,42.835 140.6,43.835 140.6,48.9 142.318,50.618 142.318,59.318 143,60 148.792,60 149.4,59.318 149.4,54.018 147.675,52.293 147.675,45.475 145.035,42.835
+Vin_PolProt_Isens on Top Layer "+VIN_POLPROT_ISENS" (solid, pour order 6): 98.3,30.9 97.8,31.4 97.8,37.5 98.4,38.1 98.4,40.2 99.8,41.6 103.3,41.6 103.6,41.9 103.6,47.25 101.98,48.87 101.98,52.7 102.6,53.4 104.4,53.4 105,52.7 105,51.16 106.7,49.46 106.7,45.8 110.2,41.697 110.2,31.515 109.585,30.9
+Vin_PolProt on Top Layer "+VIN_POLPROT" (solid, pour order 4): 97.8,25.686 97.8,24.431 97.3,23.931 97.3,21.077 97.804,20.65 105.45,20.65 108.2,23.4 109.7,23.4 110.2,24.1 110.2,25.1 110.2,30 109.6,30.6 98.375,30.6 97.8,29.8
+24V on Top Layer "+24V" (solid, pour order 2): 95.738,23.7 96.8,22.756 96.8,12.1 95.2,10.5 83,10.5 77.4,16.1 77.4,22.5 78.6,23.7
+24V_Protect on Top Layer "+24V_PROTECT" (solid, pour order 8): 108.098,50.732 106.326,50.732 105.4,51.573 105.4,68.1 106.7,69.4 111.4,69.4 112.35,70.35 112.35,77.245 112.95,77.925 116.388,77.925 124.501,86.249 124.501,88.205 125.3,89.224 125.3,91 125.615,91.315 127.835,91.315 128.203,90.947 128.203,89.123 127,88.04 127,83.35 119.95,76.3 119.95,74.228 122.875,72.628 122.875,67.825 132.5,58.2 132.5,55.012 131.8,54.4 129.8,54.4 128.6,53.2 125.4,53.2 122.3,56.3 115.1,56.3 113.6,54.8 113.6,51.573 112.759,50.732
+Vvar on Top Layer "+VVAR" (solid, pour order 9): 123,88.7 122.8,88.9 122.8,94.126 124.4,95.6 130.6,95.6 141.9,84.3 141.9,74.4 143.9,72.4 147.9,72.4 148.4,71.9 148.4,69.853 148.4,68.278 148.95,67.35 148.95,65.35 148.95,60.9 148.5,60.3 146.1,60.3 145.6,60.9 145.6,62.2 135.9,71.9 135.9,83.9 128.1,91.7 125.4,91.7 124.8,91.1 124.8,89 124.593,88.7
+Vdc_dc on Top Layer "+VDC_DC" (solid, pour order 12): 194.395,88.183 194.6,88.4 194.6,91 194.9,91.4 194.9,95.3 194.5,95.7 185.981,95.7 179.281,89 162.205,89 158.1,84.895 158.1,74.2 157.7,73.8 156.5,73.8 155.7,73 155.7,71.7 156.5,70.9 156.5,55.436 160.9,50.636 160.9,43.4 165.8,43.4 167,44.6 167,49.935 161.262,56.205 161.262,62.709 160.5,63.471 160.5,66.1 161.67,67.27 161.67,81.99 164.351,84.895 180.595,84.895 187.3,91.6 192.2,91.6 192.5,91.3 192.5,88.395 192.697,88.197
NetL3_2 on Top Layer "NETL3_2" (solid, pour order 14): 159.5,25.7 159.3,25.5 159.3,23.5 159,23.2 159,20.8 161.625,18.175 168.675,18.175 169.475,18.975 169.475,39.1 165.775,42.8 160.9,42.8 160.5,43.2 160.5,50 159.2,51.3 153.9,51.3 151.6,49 151.6,43.8 156,39.4 162.8,39.4 164.7,37.5 164.7,22.6 164.3,22.2 161.8,22.2 161.4,22.6 161.4,25.433 161.2,25.7
GND on Top Layer "GND_TOP" (solid, remove dead copper, pour order 15): 73.4,106.4 233.4,106.4 233.4,6.4 73.4,6.4
GND on Bottom Layer "GND_Bottom" (solid, remove dead copper, pour order 0): 73.425,106.325 73.475,106.375 233.375,106.375 233.375,6.4 73.4,6.4

## Silkscreen, mask and mechanical layers (free items; w line width, h text height)
Top Overlay:
  drawing of 112 lines, arcs and shapes, not listed
  text "Funded within the framework of the NGI Search project under grant agreementNo 101069364" at 145.9,103.6 h1
Board:
  the board outline again, w0.2